# KiCad board ext_board.kicad_pcb (continued)
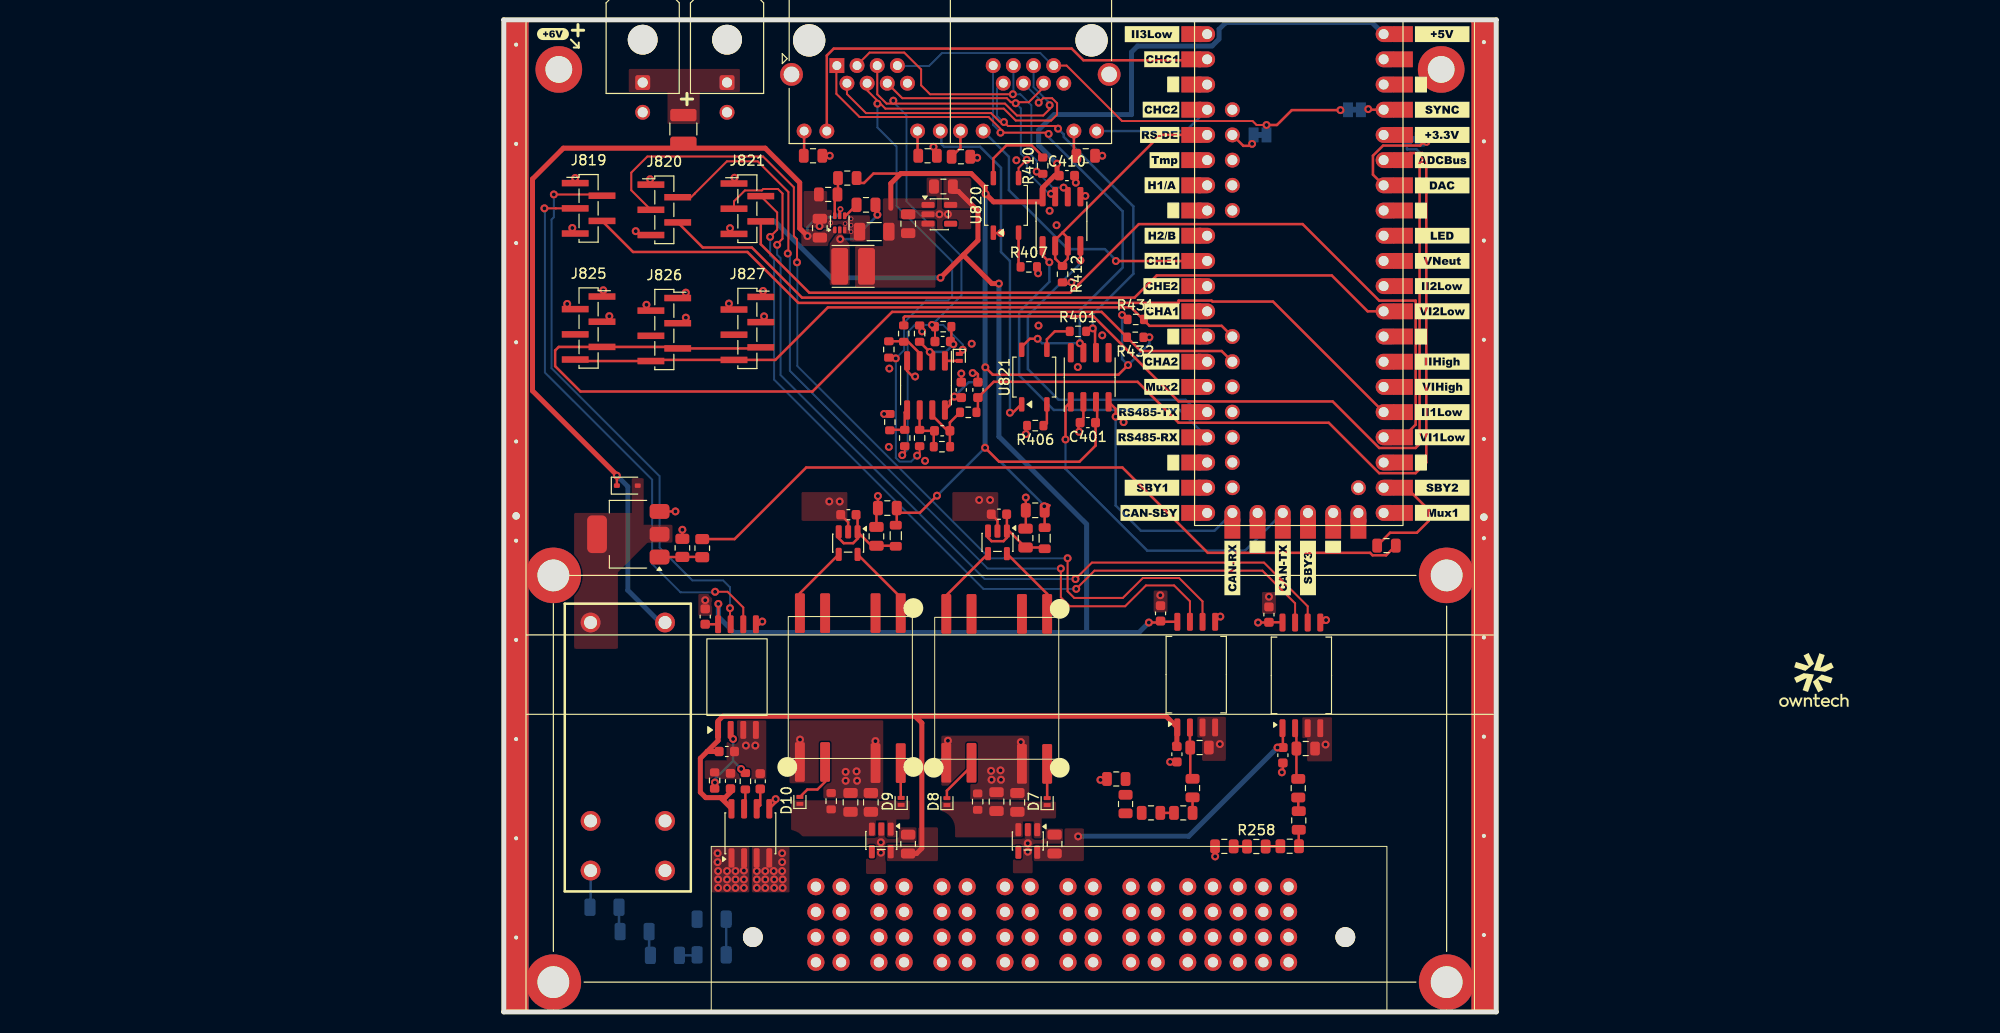
[diagram p0: board, top side]
## Copper pours and planes (outline as drawn; the poured copper is in the pictures) (continued)
DGND on Top: 29.99,79.05 33.06,79.04 33.6,79.25 34.13,79.25 34.13,78.5 34.23,78.4 34.88,78.4 34.88,77.65 36.88,77.65 36.88,80.3 34.68,80.3 34.68,80.85 32.58,80.85 32.58,82.75 30.01,82.75
DGND on Bottom: 2.65,99.9 2.65,38 97.45,38.05 97.45,99.9
DGND on In1.Cu: 2.65,99.9 2.65,38 97.45,38.05 97.45,99.9
DGND on In2.Cu: 2.6,99.9 2.6,38 97.4,38.05 97.4,99.9
/Current sensor/I+ on Top: 20.95,16.65 20.95,12.05 24.75,12.05 24.75,16.65
/Current sensor/I+ on In2.Cu: 6.56,2.95 24.76,2.95 24.75,17.6 6.56,17.6
/V_{DOWN} on Top: 25,16.65 25,12.05 28.8,12.05 28.8,16.65
/V_{DOWN} on In2.Cu: 34.95,2.88 24.95,2.88 24.95,17.6 30.93,17.6 34.95,14
/V_{UP} on In2.Cu: 47.71,3.02 47.75,14.7 59.54,14.7 59.65,21.5 53.2,27.95 16.33,27.95 14.5,26.08 14.5,17.62 32.5,17.56 35.09,15.2 43.15,15.35 43.15,3.02
PDOWNGND on Top: 37.7,19.2 37.7,17.6 36.5,17.6 36.5,13.9 38.5,13.9 38.5,17 41.7,17 41.7,18.6 39.8,18.6 39.8,17.6 38.4,17.6 38.4,19.2
PDOWNGND on Top: 28.8,23.05 32.2,23.05 32.2,21.52 36.04,21.52 38.24,21.42 38.24,29.4 28.8,29.4
PDOWNGND on Top: 72.75,25.3 72.75,29.75 69.87,29.75 69.87,27.65 70.37,27.65 70.37,25.3
PDOWNGND on Top: 22.3,23.5 22.3,23.45 26.45,23.45 26.45,29.5 23.5,29.5 23.51,27.25 22.45,27.25 22.45,25.35 20.25,25.35 20.25,23.5
PDOWNGND on Bottom: 41.35,2.9 41.35,15.35 85.98,15.35 85.98,30.12 6.7,29.76 6.7,7.83 28.68,7.83 28.64,15.14 36.9,15.16 36.9,2.9
PUPGND on Top: 83.45,25.25 83.45,29.7 80.45,29.7 80.45,27.6 80.95,27.6 80.95,25.25
PUPGND on Top: 43.56,22.8 47,22.8 47,21.42 50.75,21.4 52.95,21.37 52.95,28.7 43.54,28.7
PUPGND on Top: 52.5,19.08 52.5,17.48 51.3,17.48 51.3,13.98 53.3,13.98 53.3,16.88 56.5,16.88 56.5,18.48 54.6,18.48 54.6,17.48 53.2,17.48 53.2,19.08
PUPGND on In1.Cu: 49.45,2.95 49.45,14.65 11.5,14.65 11.5,2.85 6.6,2.85 6.6,29.9 86.03,29.9 86.03,14.7 54.05,14.7 54.05,2.95
Net-(D6-A) on Top: 7.1,36.6 7.1,50.3 12.9,50.3 12.9,53.8 14.1,53.8 14.1,49.1 17,49.1 17,47.3 14.5,47.3 11.5,44.3 11.5,36.6
Net-(D7-K) on Top: 52.3,17.6 52.3,19.2 53.4,19.2 53.4,17.5 54.2,17.5 54.2,19.5 55.65,19.5 55.65,21.19 43.8,21.19 43.8,17.6
Net-(D10-K) on Top: 37.5,17.7 37.5,19.3 38.6,19.3 38.6,17.6 39.55,17.6 39.55,19.4 40.9,19.4 40.9,21.32 28.95,21.32 28.95,17.7
Net-(J405-Pin_1) on Top: 12.6,92.7 16.5,92.7 16.5,89.5 19.75,89.5 19.75,92.7 23.8,92.7 23.8,95.05 12.6,95.05
Net-(U14-SW) on Top: 33.6,78.52 32.85,77.45 32.85,73.25 34.85,73.25 34.85,77.35 34.05,78.45 34.05,79.25 33.6,79.25

## Text on the board
F.Silkscreen: +
